# Altium PCB TempdevAmmy230209.PcbDoc (part 3 of 5) (continued)
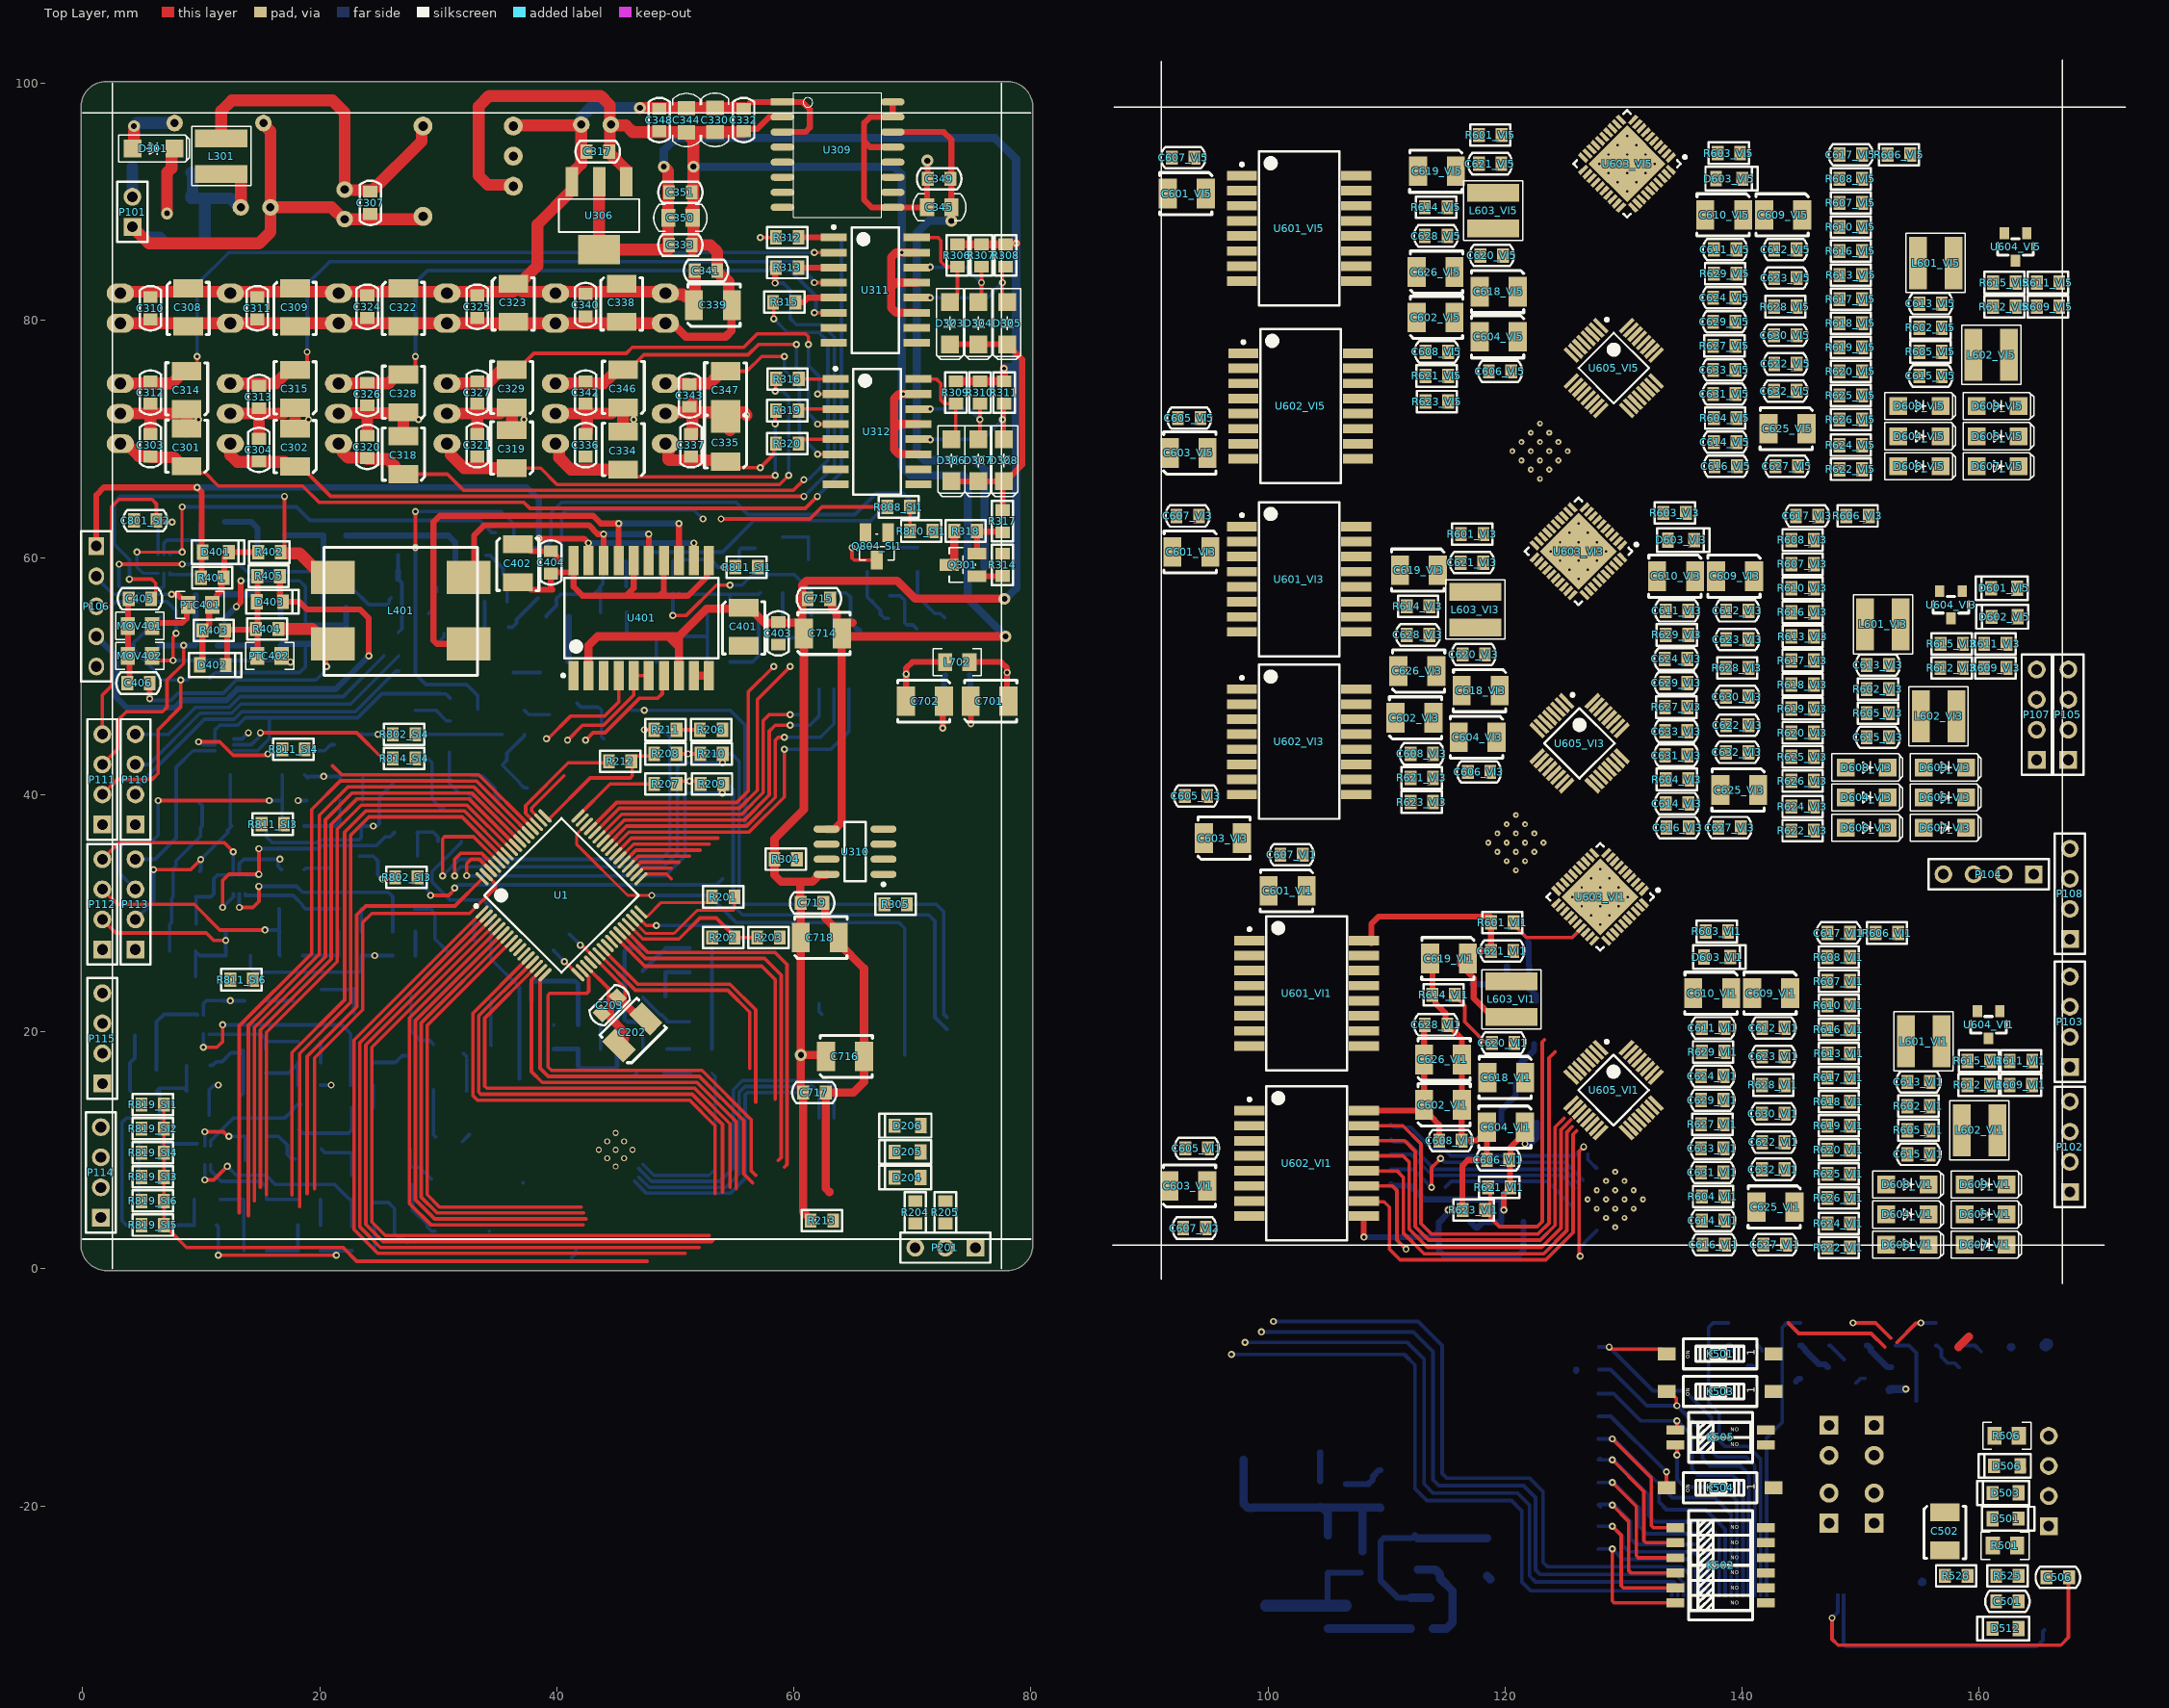
[diagram p0: Top Layer view]
## Part data (continued)
U605_VI1 U605_VI2 U605_VI3 U605_VI4 U605_VI5 U605_VI6: "HART and FOUNDATION Fieldbus / PROFIBUS PA Modem"
P2000 P2001 P3000 P5000 P6000 P6002: 厂家=TE
U604_VI1 U604_VI2 U604_VI3 U604_VI4 U604_VI5 U604_VI6: 厂家=安邦, 编号=C397594

## Via types
v1: diameter 0.6, hole 0.3, Top Layer to Bottom Layer, 166 vias
v2: diameter 0.5, hole 0.2, Top Layer to Bottom Layer, 96 vias
v3: diameter 0.5, hole 0.3, Top Layer to Bottom Layer, 9 vias
v4: diameter 1, hole 0.5, Top Layer to Bottom Layer, 8 vias

## Nets (pads, with @x,y where several pads share a name; then routed paths per layer and width w, separated by ;. In a path a pad name is that pad's centre, name@x,y a point inside that pad or via, vN(x,y) a via of type N, cw(c..) or ccw(c..) an arc to the next point about the centre after c; other vN are vias at no path point)
3.3V: C702.1 C704.1 L701.2 Q801_SI1.3 Q801_SI2.3 Q801_SI3.3 Q801_SI4.3 Q801_SI5.3 Q801_SI6.3 Q802_SI1.3 Q802_SI2.3 Q802_SI3.3 Q802_SI4.3 Q802_SI5.3 Q802_SI6.3 Q804_SI1.3 Q804_SI2.3 Q804_SI3.3 Q804_SI4.3 Q804_SI5.3 Q804_SI6.3 R801_SI1.2 R801_SI2.2 R801_SI3.2 R801_SI4.2 R801_SI5.2 R801_SI6.2 R802_SI1.2 R802_SI2.2 R802_SI3.2 R802_SI4.2 R802_SI5.2 R802_SI6.2 U701.26 | length 6.9
  Top Layer w0.5: v1(72.557,45.593) 72.557,47.792 C702.1@72.644,47.879
  Bottom Layer w0.5: v1(72.557,45.593) 72.538,45.612 72.538,47.731 C704.1@72.517,47.752 72.644,47.879 72.644,49.911 L701.2@72.771,50.038
3.3VCC: C202.1 C203.1 C331.1 C333.1 C350.1 C351.1 C401.1 C403.1 C502.1 C503.1 C504.1 C513.1 C515.1 C601_VI1.1 C601_VI2.1 C601_VI3.1 C601_VI4.1 C601_VI5.1 C601_VI6.1 C603_VI1.1 C603_VI2.1 C603_VI3.1 C603_VI4.1 C603_VI5.1 C603_VI6.1 C605_VI1.1 C605_VI2.1 C605_VI3.1 C605_VI4.1 C605_VI5.1 C605_VI6.1 C607_VI1.1 C607_VI2.1 C607_VI3.1 C607_VI4.1 C607_VI5.1 C607_VI6.1 C714.1 C715.1 C716.1 C717.1 C718.1 C719.1 L503.1 L504.1 P502.4 P502.17 P2000.8 P2000.9 P2000.10 P3000.30 P5000.8 P5000.9 P5000.10 P6000.30 R203.2 R213.1 R304.1 R306.1 R307.1 R308.1 R309.1 R310.1 R311.1 R314.1 R507.1 R508.1 R509.1 R510.1 R511.1 R512.1 R513.1 R514.1 R515.1 R516.1 R517.1 R519.1 R521.1 R523.1 U1.19 U1.20 U306.2 U310.8 U401.2 U401.8 U501.4 U501.5 U503.4 U503.5 U601_VI1.1 U601_VI2.1 U601_VI3.1 U601_VI4.1 U601_VI5.1 U601_VI6.1 U602_VI1.1 U602_VI2.1 U602_VI3.1 U602_VI4.1 U602_VI5.1 U602_VI6.1 U702.1 U703.1 U704.1 | length 231.6
  Top Layer w0.3: U1.19@42.49,25.503 44.343,23.65 44.343,22.132 44.413,22.061
  Top Layer w0.7: U401.2@42.672,50.038 42.672,52.578 43.434,53.34 49.403,53.34 ; 44.413,22.061 44.484,21.991 44.484,21.737 44.484,21.169 45.743,19.91 C202.1@45.743,19.327 ; U401.8@50.292,50.038 50.292,52.451 ; R213.1@61.407,4.064 61.407,4.164 60.772,4.799 C717.1@60.772,14.859 60.772,14.959 60.579,15.152 v4(60.579,18.034) ; C716.1@62.713,17.907 62.586,18.034 v4(60.579,18.034) ; U310.8@62.751,33.274 62.701,33.224 62.001,33.224 62.001,33.099 61.541,32.639 60.546,32.639 60.546,32.385 ; R309.1@73.66,74.864 R310.1@75.692,74.864 R311.1@77.724,74.864 v1(77.724,75.946) ; R306.1@73.787,86.421 R307.1@75.819,86.421 R308.1@77.851,86.421 77.917,86.487 v1(78.74,86.487) ; v4(77.758,56.515) 70.231,56.515 68.707,58.039 61.064,58.039 60.69,57.665 60.69,54.494 C714.1@60.69,54.225 ; 49.403,53.34 50.292,53.34 ; 49.403,53.34 50.292,52.451 ; 50.292,52.451 50.292,53.34 ; 50.292,53.34 52.629,55.677 55.829,55.677 C401.1@55.753,55.753 56.241,55.753 57.5,54.494 58.674,54.494 60.421,54.494 C714.1@60.69,54.225 ; 60.546,32.385 60.292,32.639 58.928,32.639 58.359,33.208 R304.1@58.359,34.544 58.359,36.261 60.833,38.735 C714.1@60.833,53.594 60.833,54.082 C714.1@60.69,54.225 ; 60.546,32.385 60.546,30.894 C719.1@60.579,30.861 C718.1@60.579,27.94 v4(60.579,18.034)
  Top Layer w1: U306.2@43.561,91.694 U306.2@43.561,85.979 49.387,85.979 49.387,92.599 C331.1@49.022,92.964
  Bottom Layer w0.5: U503.4@112.014,-27.753 110.938,-27.753 109.474,-26.289 109.474,-23.016 109.767,-22.723 112.151,-22.723 112.395,-22.479 L504.1@112.649,-22.733 ; R514.1@125.989,-8.609 R514.1@125.989,-8.509
  Bottom Layer w0.7: C331.1@49.022,92.964 49.022,94.361 50.038,95.377 76.962,95.377 78.74,93.599 v1(78.74,86.487) 78.74,76.073 ; v1(77.724,75.946) 77.851,76.073 78.74,76.073 ; v4(77.758,56.515) 77.851,56.515 78.74,57.404 78.74,76.073 ; U503.4@112.014,-27.753 U503.5@113.665,-27.753 ; L504.1@112.649,-22.733 C515.1@118.491,-22.733 ; L503.1@155.17,-26.44 L503.1@155.194,-26.416
3.3VS: C345.1 C349.2 C701.1 C703.1 L701.1 R305.2 U309.14 U701.2 U702.16 U703.16 U704.16 | length 54.5
  Top Layer w0.5: U309.14@68.326,95.885 72.644,95.885 73.279,95.25 C345.1@73.279,89.535 v4(73.279,88.392) ; C701.1@74.905,47.879 74.93,47.854 v1(74.93,45.974)
  Bottom Layer w0.5: L701.1@74.819,50.038 74.877,49.98 74.877,47.81 C703.1@74.935,47.752 74.935,45.979 v1(74.93,45.974)
  Bottom Layer w0.7: v4(73.279,88.392) 71.374,88.392 70.358,87.376 70.358,68.834 70.993,68.199 75.311,68.199 76.073,67.437 76.073,59.182
3.3VSON: R304.2 U1.25 U310.7
3W/4\W\(ON)_SI1: R803_SI1.2 R805_SI1.2 U703.15
3W/4\W\(ON)_SI2: R803_SI2.2 R805_SI2.2 U703.14 | length 10.9
  Bottom Layer w0.5: R803_SI2.2@22.22,61.849 30.861,61.849 31.43,61.28 R805_SI2.2@31.43,59.817
3W/4\W\(ON)_SI3: R803_SI3.2 R805_SI3.2 U703.13 | length 45.4
  Top Layer w0.3: v1(29.337,31.496) 30.861,31.496 v1@31.369,32.004
  Bottom Layer w0.3: R803_SI3.2@28.128,32.893 29.337,31.684 v1(29.337,31.496) ; v1(31.369,32.131) 31.441,32.131 31.695,32.385 53.467,32.385 53.975,32.893 ; R805_SI3.2@46.289,47.117 v1(47.371,47.117) 54.61,47.117 55.88,45.847 55.88,37.672
3W/4\W\(ON)_SI4: R803_SI4.2 R805_SI4.2 U703.12 | length 7.3
  Bottom Layer w0.3: R803_SI4.2@28.062,45.085 R805_SI4.2@35.372,45.085
3W/4\W\(ON)_SI5: R803_SI5.2 R805_SI5.2 U703.11
3W/4\W\(ON)_SI6: R803_SI6.2 R805_SI6.2 U703.10
3W/4W+_SI1: D802_SI1.2 D803_SI1.2 P110.3 R815_SI1.1 R816_SI1.2 | length 32.3
  Bottom Layer w0.3: P110.3@4.445,42.545 5.588,42.545 9.898,46.855 12.565,46.855 13.335,47.625 22.606,47.625 26.67,51.689 ; D803_SI1.2@50.587,53.34 D802_SI1.2@52.578,53.34 ; R816_SI1.2@52.705,51.181 R815_SI1.1@52.705,55.499
3W/4W+_SI2: D802_SI2.2 D803_SI2.2 P111.3 R815_SI2.1 R816_SI2.2 | length 22.4
  Top Layer w0.3: P111.3@1.651,42.545 2.921,43.815 2.921,46.228 3.683,46.99 6.731,46.99 7.112,47.371 7.112,49.657 8.509,51.054 v1(8.509,52.578)
  Bottom Layer w0.3: D803_SI2.2@6.35,52.578 D803_SI2.2@6.604,52.832 ; R815_SI2.1@9.464,56.769 9.527,56.832 R815_SI2.1@9.591,56.896
  Bottom Layer w0.5: D803_SI2.2@6.518,52.578 R816_SI2.2@9.464,52.578 9.527,52.642 R815_SI2.1@9.527,56.832
3W/4W+_SI3: D802_SI3.2 D803_SI3.2 P112.3 R815_SI3.1 R816_SI3.2 | length 21.5
  Top Layer w0.3: P112.3@1.651,32.004 2.921,30.734 9.398,30.734 11.557,28.575 v1(15.367,28.575)
  Bottom Layer w0.3: D803_SI3.2@14.265,28.575 v1(15.367,28.575) 16.51,28.575 D802_SI3.2@16.576,28.509 ; R815_SI3.1@16.576,30.353 D802_SI3.2@16.576,28.509 ; R816_SI3.2@16.637,26.416 16.576,26.477 D802_SI3.2@16.576,28.509 ; D802_SI3.2@16.637,28.448 D802_SI3.2@16.576,28.509
3W/4W+_SI4: D802_SI4.2 D803_SI4.2 P113.3 R815_SI4.1 R816_SI4.2 | length 26.6
  Top Layer w0.3: v1(6.35,39.497) v1(15.748,39.497)
  Bottom Layer w0.3: P113.3@4.445,32.004 3.048,33.401 3.048,35.433 3.683,36.068 5.842,36.068 6.35,36.576 v1(6.35,39.497) ; D803_SI4.2@14.646,39.497 v1(15.748,39.497) D802_SI4.2@16.807,39.497 ; R816_SI4.2@16.764,37.338 16.83,37.404 16.83,39.497 R815_SI4.1@16.83,41.656
3W/4W+_SI5: D802_SI5.2 D803_SI5.2 P114.3 R815_SI5.1 R816_SI5.2 | length 6.3
  Bottom Layer w0.3: D803_SI5.2@11.598,5.842 R815_SI5.1@13.589,5.842 R816_SI5.2@13.589,1.524
3W/4W+_SI6: D802_SI6.2 D803_SI6.2 P115.3 R815_SI6.1 R816_SI6.2 | length 7.2
  Bottom Layer w0.3: D803_SI6.2@10.752,17.145 D803_SI6.2@10.764,17.157 ; D803_SI6.2@10.934,17.157 11.229,17.452 11.737,17.452 12.5,18.215 13.328,18.215 R815_SI6.1@13.528,18.415 R816_SI6.2@13.528,16.51 13.528,14.798 D802_SI6.2@13.208,14.478
3W/4W-_SI1: D803_SI1.1 D804_SI1.2 P110.2 R817_SI1.2 R818_SI1.2 | length 33.6
  Bottom Layer w0.3: P110.2@4.445,40.005 4.675,40.235 4.675,40.743 10.287,46.355 12.772,46.355 13.407,46.99 22.987,46.99 26.416,50.419 26.67,50.419 ; D804_SI1.2@45.888,55.372 45.888,53.381 R818_SI1.2@45.847,53.34 D803_SI1.1@48.387,53.34 R817_SI1.2@48.387,51.181
3W/4W-_SI2: D803_SI2.1 D804_SI2.2 P111.2 R817_SI2.2 R818_SI2.2 | length 24
  Top Layer w0.3: P111.2@1.651,40.005 2.921,41.275 5.842,41.275 6.35,41.783 6.35,45.466 8.255,47.371 v1(8.255,49.657)
  Bottom Layer w0.3: D803_SI2.1@4.15,52.578 4.15,52.623 4.262,52.734 4.262,52.79 4.5,53.028 4.555,53.028 5.891,54.364 6,54.364 6.518,54.882 D804_SI2.2@6.518,54.991 ; D803_SI2.1@4.318,52.678 4.318,52.197 6.127,50.388 6.127,50.234 6.45,49.911 R818_SI2.2@6.477,49.911 ; R818_SI2.2@6.477,49.784 6.604,49.657 v1(8.255,49.657) 8.829,49.657 R817_SI2.2@9.083,49.911
3W/4W-_SI3: D803_SI3.1 D804_SI3.2 P112.2 R817_SI3.2 R818_SI3.2 | length 18.2
  Top Layer w0.3: P112.2@1.651,29.464 2.794,28.321 10.414,28.321 11.049,27.686 v1(12.065,27.686)
  Bottom Layer w0.3: R818_SI3.2@9.525,24.638 D804_SI3.2@9.525,26.766 ; D804_SI3.2@9.525,26.797 D804_SI3.2@9.525,26.766 ; D803_SI3.1@12.065,28.575 v1(12.065,27.686) 12.065,26.416 9.875,26.416 D804_SI3.2@9.525,26.766
3W/4W-_SI4: D803_SI4.1 D804_SI4.2 P113.2 R817_SI4.2 R818_SI4.2 | length 18.5
  Top Layer w0.3: v1(5.969,33.655) 9.08,33.655 v1(9.949,34.523)
  Bottom Layer w0.3: P113.2@4.445,29.464 5.969,30.988 v1(5.969,33.655) ; D804_SI4.2@9.863,33.528 9.949,33.614 v1(9.949,34.523) 10.858,35.433 12.223,36.797 12.223,36.988 R817_SI4.2@12.573,37.338 12.446,37.465 D803_SI4.1@12.446,39.497 R818_SI4.2@12.446,41.656
3W/4W-_SI5: D803_SI5.1 D804_SI5.2 P114.2 R817_SI5.2 R818_SI5.2 | length 6.7
  Bottom Layer w0.3: D804_SI5.2@6.942,5.842 6.942,3.726 R818_SI5.2@6.985,3.683 R817_SI5.2@9.398,3.683 D803_SI5.1@9.398,5.842
3W/4W-_SI6: D803_SI6.1 D804_SI6.2 P115.2 R817_SI6.2 R818_SI6.2 | length 7.6
  Bottom Layer w0.3: D804_SI6.2@6.223,14.986 6.477,15.24 8.514,15.24 R817_SI6.2@8.768,14.986 8.763,14.991 D803_SI6.1@8.763,17.145 ; D804_SI6.2@6.477,14.986 6.477,12.7 R818_SI6.2@6.731,12.446
3W/4WON1: U1.45 U703.2 | length 26
  Top Layer w0.3: U1.45@42.843,37.135 45.046,39.338 55.179,39.338 56.134,40.293 56.134,48.641 v1(58.293,50.8)
3W/4WON2: U1.44 U703.3 | length 26.8
  Top Layer w0.3: U1.44@43.197,36.782 45.253,38.838 55.386,38.838 56.912,40.364 56.912,48.022 v1(59.69,50.8)
3W/4WON3: U1.43 U703.4 | length 27
  Top Layer w0.3: U1.43@43.55,36.428 45.46,38.338 55.593,38.338 57.412,40.157 57.412,46.236 57.912,46.736 v1(59.69,46.736)
  Bottom Layer w0.3: v1(59.69,46.736) 60.452,46.736 60.833,47.117 U703.4@60.833,48.893
3W/4WON4: U1.42 U703.5 | length 28
  Top Layer w0.3: U1.42@43.904,36.075 45.667,37.838 55.8,37.838 57.912,39.95 57.912,45.339 58.42,45.847 v1(59.69,45.847)
  Bottom Layer w0.3: v1(59.69,45.847) 61.341,45.847 62.103,46.609 U703.5@62.103,48.893
3W/4WON5: U1.41 U703.6 | length 29.1
  Top Layer w0.3: U1.41@44.257,35.721 45.874,37.338 56.007,37.338 58.42,39.751 58.42,44.577 58.674,44.831 v1(59.182,44.831)
  Bottom Layer w0.3: v1(59.182,44.831) 62.23,44.831 63.373,45.974 U703.6@63.373,48.893
3W/4WON6: U1.40 U703.7 | length 30.1
  Top Layer w0.3: U1.40@44.611,35.367 46.081,36.838 56.214,36.838 59.182,39.806 v1(59.182,43.815)
  Bottom Layer w0.3: v1(59.182,43.815) 63.119,43.815 64.643,45.339 U703.7@64.643,48.893
3W_ON_G_SI1: Q802_SI1.1 R813_SI1.1 | length 5.3
  Bottom Layer w0.3: R813_SI1.1@63.368,57.023 64.389,57.023 64.77,56.642 64.77,54.749 64.96,54.559 64.96,54.259 65.31,53.909 Q802_SI1.1@65.483,53.909 ; Q802_SI1.1@65.29,54.102 Q802_SI1.1@65.483,53.909 ; Q802_SI1.1@65.61,53.782 Q802_SI1.1@65.483,53.909 ; Q802_SI1.1@65.61,53.909 Q802_SI1.1@65.483,53.909
3W_ON_G_SI2: Q802_SI2.1 R813_SI2.1 | length 5
  Bottom Layer w0.3: R813_SI2.1@22.22,57.785 22.22,57.685 22.57,57.335 22.802,57.335 24.12,56.017 Q802_SI2.1@25.676,56.017 25.851,56.192 25.851,56.428 Q802_SI2.1@26.026,56.603
3W_ON_G_SI3: Q802_SI3.1 R813_SI3.1 | length 5.5
  Bottom Layer w0.3: R813_SI3.1@28.001,30.353 29.337,30.353 29.718,29.972 29.718,27.813 Q802_SI3.1@30.742,26.789
3W_ON_G_SI4: Q802_SI4.1 R813_SI4.1 | length 6
  Bottom Layer w0.3: R813_SI4.1@28.062,43.053 29.083,43.053 29.464,42.672 29.464,39.624 29.83,39.258 29.83,39.212 30.18,38.862 Q802_SI4.1@30.48,38.862
3W_ON_G_SI5: Q802_SI5.1 R813_SI5.1 | length 5.5
  Bottom Layer w0.3: R813_SI5.1@24.572,5.588 25.781,5.588 26.289,5.08 26.289,2.949 26.668,2.57 27.033,2.57 Q802_SI5.1@27.383,2.22
3W_ON_G_SI6: Q802_SI6.1 R813_SI6.1 | length 3
  Bottom Layer w0.3: R813_SI6.1@24.506,17.399 26.387,17.399 26.956,17.968 Q802_SI6.1@27.256,17.968
4W_ON_G_SI1: Q801_SI1.1 R812_SI1.1 | length 2.9
  Bottom Layer w0.3: R812_SI1.1@55.433,59.182 55.372,59.243 55.372,60.596 55.548,60.772 Q801_SI1.1@56.72,60.772
4W_ON_G_SI2: Q801_SI2.1 R812_SI2.1 | length 4.5
  Bottom Layer w0.5: R812_SI2.1@11.999,62.992 14.224,62.992 14.732,62.484 Q801_SI2.1@14.732,60.96
4W_ON_G_SI3: Q801_SI3.1 R812_SI3.1 | length 2.4
  Bottom Layer w0.3: R812_SI3.1@18.669,33.655 18.796,33.782 20.828,33.782 Q801_SI3.1@20.955,33.909
4W_ON_G_SI4: Q801_SI4.1 R812_SI4.1 | length 2.6
  Bottom Layer w0.3: R812_SI4.1@18.796,43.688 20.401,43.688 20.909,44.196 Q801_SI4.1@21.209,44.196
4W_ON_G_SI5: Q801_SI5.1 R812_SI5.1 | length 3.6
  Bottom Layer w0.3: R812_SI5.1@15.616,11.176 16.51,11.176 17.257,10.429 17.257,9.621 17.607,9.271 Q801_SI5.1@17.907,9.271
4W_ON_G_SI6: Q801_SI6.1 R812_SI6.1 | length 2.2
  Bottom Layer w0.3: R812_SI6.1@15.555,22.606 Q801_SI6.1@17.78,22.606
4W_SI1: C801_SI1.1 D801_SI1.2 P110.4 Q806_SI1.1 | length 25.9
  Bottom Layer w0.3: P110.4@4.445,45.085 7.239,45.085 9.509,47.355 12.358,47.355 13.263,48.26 21.971,48.26 25.4,51.689 ; C801_SI1.1@45.781,59.69 45.847,59.624 D801_SI1.2@45.847,57.531
4W_SI2: C801_SI2.1 D801_SI2.2 P111.4 Q806_SI2.1 | length 30.4
  Top Layer w0.3: P111.4@1.651,45.085 1.651,48.387 2.413,49.149 2.413,64.262 3.048,64.897 5.842,64.897 6.223,64.516 C801_SI2.1@6.223,63.119 v1@7.62,63.119
  Bottom Layer w0.3: D801_SI2.2@6.264,62.611 6.645,62.992 v1(7.534,62.992) ; D801_SI2.2@6.35,62.738 6.358,62.73 Q806_SI2.1@6.358,60.274
4W_SI3: C801_SI3.1 D801_SI3.2 P112.4 Q806_SI3.1 | length 20.9
  Top Layer w0.3: P112.4@1.651,34.544 3.048,35.941 11.938,35.941 v1(12.7,35.179)
  Bottom Layer w0.3: D801_SI3.2@9.566,29.083 9.566,31.328 C801_SI3.1@9.525,31.369 10.795,31.369 11.049,31.623 11.049,32.893 11.379,33.223 Q806_SI3.1@12.708,33.223 12.704,33.227 12.704,35.175 v1(12.7,35.179)
4W_SI4: C801_SI4.1 D801_SI4.2 P113.4 Q806_SI4.1 | length 14
  Bottom Layer w0.3: P113.4@4.445,34.544 6.096,34.544 7.874,36.322 C801_SI4.1@7.874,39.37 7.874,42.291 9.279,43.696 Q806_SI4.1@11.138,43.696
4W_SI5: C801_SI5.1 D801_SI5.2 P114.4 Q806_SI5.1 | length 5.5
  Bottom Layer w0.3: D801_SI5.2@6.899,8.128 6.899,10.307 C801_SI5.1@6.665,10.541 9.652,10.541
4W_SI6: C801_SI6.1 D801_SI6.2 P115.4 Q806_SI6.1 | length 7.8
  Bottom Layer w0.3: D801_SI6.2@6.223,16.764 6.223,18.923 6.223,19.685 6.223,20.828 6.858,21.463 9.643,21.463 9.668,21.438 Q806_SI6.1@9.668,21.412
5VGND: C201.1 C202.2 C203.2 C308.2 C309.2 C310.1 C311.1 C316.2 C317.1 C322.2 C323.2 C324.1 C325.1 C330.2 C331.2 C332.1 C333.2 C338.2 C339.2 C340.1 C341.1 C344.2 C348.1 C350.2 C351.2 C401.2 C403.2 C502.2 C503.2 C504.2 C505.2 C507.2 C508.2 C509.2 C510.2 C511.2 C512.2 C513.2 C515.2 C516.2 C601_VI1.2 C601_VI2.2 C601_VI3.2 C601_VI4.2 C601_VI5.2 C601_VI6.2 C603_VI1.2 C603_VI2.2 C603_VI3.2 C603_VI4.2 C603_VI5.2 C603_VI6.2 C605_VI1.2 C605_VI2.2 C605_VI3.2 C605_VI4.2 C605_VI5.2 C605_VI6.2 C607_VI1.2 C607_VI2.2 C607_VI3.2 C607_VI4.2 C607_VI5.2 C607_VI6.2 C714.2 C715.2 C716.2 C717.2 C718.2 C719.2 D504.1 D505.1 D507.1 D513.2 K501.1 K502.1 K502.2 K502.3 K502.4 K502.5 K502.6 K503.1 K504.1 K505.1 K505.2 L502.1 P201.1 P502.1 P502.7 P502.8 P502.9 P502.10 P502.11 P502.15 P502.16 P502.18 P502.20 P502.28 P502.30 P2000.4 P2000.5 P2000.6 P3000.29 P5000.4 P5000.5 P5000.6 P6000.29 Q301.3 Q501.3 Q502.3 Q503.3 Q504.3 R318.2 R505.2 R526.2 R528.1 R530.2 U1.21 U301.2 U302.2 U303.7 U304.2 U305.2 U306.1 U307.2 U308.2 U309.2 U310.2 U310.5 U311.11 U311.13 U311.15 U312.11 U312.13 U312.15 U401.1 U401.3 U401.9 U401.10 U501.2 U503.2 U601_VI1.8 U601_VI2.8 U601_VI3.8 U601_VI4.8 U601_VI5.8 U601_VI6.8 U602_VI1.8 U602_VI2.8 U602_VI3.8 U602_VI4.8 U602_VI5.8 U602_VI6.8 U702.8 U703.8 U704.2 U704.8 | length 304.7
  Top Layer w0.3: v1@42.043,27.364 U1.21@43.197,26.21 45.757,23.65 45.757,22.826 45.757,22.315
  Top Layer w0.5: C332.1@55.753,95.885 56.014,96.146 56.903,96.146 57.893,97.136 59.007,97.136 U309.2@59.026,97.155
  Top Layer w0.7: 45.757,22.315 46.99,21.082 C202.2@47.498,21.082 ; U308.2@49.149,79.756 49.743,79.756 50.886,78.613 54.229,78.613 54.737,79.121 54.737,81.305 C339.2@54.5,81.542 ; U401.9@51.562,50.038 U401.10@52.832,50.038 ; C401.2@55.626,52.426 C401.2@55.753,52.553 ; C719.2@62.479,30.861 62.629,30.711 62.629,29.578 63.779,28.428 C718.2@63.779,27.94 63.779,27.452 65.913,25.318 C716.2@65.913,17.907 65.913,15.748 65.024,14.859 C717.2@62.672,14.859 62.672,6.797 62.992,6.477 ; U310.5@62.751,37.084 63.451,37.084 64.033,37.666 C714.2@64.033,53.594 64.033,54.082 C714.2@64.445,54.494 ; C715.2@63.053,56.515 63.203,56.365 63.203,55.736 63.621,55.318 63.621,54.494 C714.2@64.445,54.494 ; C714.2@64.389,53.34 v4(77.851,53.34) ; 64.933,54.494 C714.2@64.445,54.494 ; U311.11@70.358,80.645 68.609,80.645 68.199,81.055 68.199,82.775 ; U311.13@70.358,83.185 68.609,83.185 68.199,82.775 ; U311.15@70.358,85.725 v1(69.088,85.725) 68.609,85.725 68.199,85.315 68.199,82.775 ; U312.11@70.5,68.707 68.863,68.707 68.453,69.117 68.453,70.837 ; U312.13@70.5,71.247 68.863,71.247 68.453,70.837 ; U312.15@70.5,73.787 v1(69.215,73.787) 68.863,73.787 68.453,73.377 68.453,70.837 ; Q301.3@73.103,59.37 73.383,59.37 73.533,59.52 R318.2@73.533,62.23 ; 158.242,-6.604 159.131,-5.715
  Top Layer w1: U301.2@3.175,79.756 U302.2@12.446,79.756 U304.2@21.59,79.756 U305.2@30.734,79.756 U307.2@39.878,79.756 U308.2@49.149,79.756 ; U303.7@36.322,91.313 36.207,91.428 34.175,91.428 33.401,92.202 33.401,98.044 34.29,98.933 43.688,98.933 44.466,98.155 44.466,94.084 45.836,92.714 45.836,91.719 U306.1@45.861,91.694 ; C316.2@44.557,96.52 44.634,96.443 45.833,96.443 46.391,95.885 48.641,95.885 C332.1@55.753,95.885 ; C344.2@50.927,95.869 51.077,95.869 51.177,95.769 51.177,95.528 51.522,95.183 C331.2@51.522,92.964 C333.2@51.522,86.36 ; C350.2@51.308,89.281 51.351,89.238 51.351,88.746 C350.2@51.451,88.646 ; C333.2@51.369,86.36 C333.2@51.522,86.36 ; C333.2@51.435,85.979 51.522,86.066 C333.2@51.522,86.36 ; C339.2@54.5,81.542 54.5,83.242 54.176,83.566 54.063,83.566 53.528,84.101 C341.1@53.528,84.201 53.528,85.774 52.942,86.36 C333.2@51.522,86.36 ; C339.2@54.737,81.305 C339.2@54.762,81.28
  Bottom Layer w0.3: C201.1@41.058,28.231 v1(41.984,27.305) v1@42.037,27.305
  Bottom Layer w0.7: C331.2@51.522,92.964 68.453,92.964 69.088,92.329 v1(69.088,85.725) 69.088,67.691 69.85,66.929 74.266,66.929 74.676,66.519 74.676,56.515 v4(77.851,53.34) ; R528.1@97.917,-16.124 97.917,-19.781 98.329,-20.193 C512.2@98.679,-20.193 98.722,-20.15 104.351,-20.15 D513.2@104.394,-20.107 ; C507.2@105.029,-22.479 105.029,-20.592 104.587,-20.15 107.954,-20.15 ; C508.2@107.95,-23.815 107.954,-23.811 107.954,-20.15 ; C511.2@109.474,-20.193 109.431,-20.15 107.954,-20.15 ; C515.2@118.466,-25.908 C515.2@118.491,-25.933 C515.2@118.745,-26.187 ; Q503.3@152.449,-10.226 152.515,-10.16 v1@153.67,-10.16 ; L502.1@162.663,-6.628 L502.1@162.687,-6.604
  other v1: 153.797,-10.16
5VIN: C308.1 C309.1 C310.2 C311.2 C316.1 C317.2 C322.1 C323.1 C324.2 C325.2 C330.1 C332.2 C338.1 C339.1 C340.2 C341.2 C344.1 C348.2 U301.1 U302.1 U303.5 U304.1 U305.1 U306.3 U307.1 U308.1 U309.1 U309.3 | length 98.7
  Top Layer w0.5: C332.2@55.753,97.933 55.903,97.933 56.395,98.425 U309.1@59.026,98.425 60.706,98.425 61.341,97.79 61.341,96.266 60.96,95.885 U309.3@59.026,95.885
  Top Layer w1: U301.1@3.175,82.296 3.29,82.411 C323.1@36.322,82.411 ; C323.1@36.322,82.767 C323.1@37.072,82.767 ; C323.1@36.322,83.083 C323.1@36.81,83.083 ; U303.5@36.322,96.393 36.386,96.456 41.993,96.456 C316.1@42.057,96.52 42.057,93.197 41.261,92.401 U306.3@41.261,91.694 41.261,90.987 38.354,88.08 38.354,84.607 37.072,83.325 37.072,82.837 C323.1@36.81,82.575 ; C323.1@37.072,82.411 U308.1@49.149,82.411 ; v4@46.99,97.917 v4(47.006,97.933) 48.641,97.933 C332.2@55.753,97.933 ; U308.1@49.149,82.296 49.264,82.181 50.661,82.181 50.812,82.03 51.3,82.03 C339.1@51.562,81.768 ; C339.1@51.562,81.28 C339.1@51.562,81.768 ; C341.2@51.628,84.201 51.628,81.834 C339.1@51.562,81.768
  Bottom Layer w1: C316.1@42.057,96.52 42.134,96.597 42.134,97.224 42.843,97.933 v4(47.006,97.933)
5VLDO: R609_VI1.1 R609_VI2.1 R609_VI3.1 R609_VI4.1 R609_VI5.1 R609_VI6.1 R611_VI1.1 R611_VI2.1 R611_VI3.1 R611_VI4.1 R611_VI5.1 R611_VI6.1 R612_VI1.1 R612_VI2.1 R612_VI3.1 R612_VI4.1 R612_VI5.1 R612_VI6.1 U603_VI1.3 U603_VI2.3 U603_VI3.3 U603_VI4.3 U603_VI5.3 U603_VI6.3 U604_VI1.1 U604_VI2.1 U604_VI3.1 U604_VI4.1 U604_VI5.1 U604_VI6.1
15V1: C301.1 C303.1 C609_VI1.1 C612_VI1.1 D605_VI1.2 D607_VI1.2 D609_VI1.2 P3000.28 P6000.28 R312.2 R609_VI1.2 R611_VI1.2 U301.6 U603_VI1.2 | length 134.5
  Top Layer w0.3: C301.1@8.763,67.412 9.038,67.137 10.333,67.137 11.43,66.04 18.542,66.04 19.939,64.643 37.211,64.643 37.719,64.135 60.96,64.135 v1(61.976,65.151) ; v1(57.15,86.995) R312.2@58.404,86.995 ; R312.2@58.357,86.948 R312.2@58.404,86.995 ; R312.2@58.486,86.995 R312.2@58.404,86.995
  Top Layer w1: U301.6@3.175,69.596 3.687,69.596 4.73,68.553 5.615,68.553 5.715,68.453 7.681,68.453 C301.1@8.267,67.867
  S1 w0.3: v1(61.976,65.151) 67.183,65.151 68.03,64.304 68.03,27.771
  Bottom Layer w0.3: v1(57.15,86.995) 63.754,86.995 64.008,86.741 64.008,67.183 v1(61.976,65.151)
15V2: C302.1 C304.1 C609_VI2.1 C612_VI2.1 D605_VI2.2 D607_VI2.2 D609_VI2.2 P3000.25 P6000.25 R313.2 R609_VI2.2 R611_VI2.2 U302.6 U603_VI2.2 | length 118.5
  Top Layer w0.3: C302.1@17.907,67.666 18.395,67.666 20.91,65.151 v1(60.833,65.151)
  Top Layer w0.5: v1(58.404,83.145) 58.423,83.164 58.423,84.436 R313.2@58.404,84.455
  Top Layer w1: U302.6@12.446,69.596 12.446,68.642 13.032,68.056 14.859,68.056 17.029,68.056 17.419,67.666 C302.1@17.907,67.666 ; R313.2@58.404,84.455 R313.2@58.42,84.439
  S1 w0.3: v1(60.833,65.151) 61.722,66.04 67.691,66.04 68.58,65.151 68.58,30.099
  Bottom Layer w0.3: v1(58.404,83.145) 59.095,83.145 59.69,82.55 59.69,80.137 60.198,79.629 62.357,79.629 63.415,78.571 63.415,67.717 60.849,65.151 v1(60.833,65.151)
15V3: C318.1 C320.1 C609_VI3.1 C612_VI3.1 D605_VI3.2 D607_VI3.2 D609_VI3.2 P3000.22 P6000.22 R315.2 R609_VI3.2 R611_VI3.2 U304.6 U603_VI3.2 | length 105.9
  Top Layer w0.3: C318.1@27.051,67.031 30.759,67.031 32.131,65.659 59.944,65.659 v1(60.833,66.548) ; R315.2@58.232,81.534 58.293,81.473 v1(58.293,80.137)
  Top Layer w1: U304.6@21.59,69.596 21.628,69.596 21.905,69.319 21.905,68.896 22.391,68.41 23.903,68.41 24.003,68.31 25.715,68.31 26.301,67.724 26.301,67.293 26.563,67.031 C318.1@27.051,67.031
  S1 w0.3: v1(60.833,66.548) 60.875,66.59 69.681,66.59 70.485,65.786 70.485,31.115
  Bottom Layer w0.3: v1(58.293,80.137) 59.436,78.994 62.103,78.994 62.865,78.232 62.865,68.199 61.257,66.591 60.876,66.591 v1(60.833,66.548)
15V4: C319.1 C321.1 C609_VI4.1 C612_VI4.1 D605_VI4.2 D607_VI4.2 D609_VI4.2 P3000.19 P6000.19 R316.2 R609_VI4.2 R611_VI4.2 U305.6 U603_VI4.2 | length 84.8
  Top Layer w0.3: C319.1@36.195,67.539 38.633,67.539 40.013,66.159 58.793,66.159 v1(59.563,66.929) ; v1(58.42,74.041) 58.461,74.082 58.461,75.016 R316.2@58.502,75.057
  Top Layer w1: U305.6@30.734,69.596 30.772,69.596 31.049,69.319 31.049,68.658 32.168,67.539 C319.1@36.195,67.539
  S1 w0.3: v1(59.563,66.929) 59.944,66.929 60.283,67.268 70.019,67.268 71.078,66.209 71.078,33.57 71.12,33.528
  Bottom Layer w0.3: v1(58.42,74.041) 59.055,74.041 59.563,73.533 v1(59.563,66.929)
15V5: C334.1 C336.1 C609_VI5.1 C612_VI5.1 D605_VI5.2 D607_VI5.2 D609_VI5.2 P3000.16 P6000.16 R319.2 R609_VI5.2 R611_VI5.2 U307.6 U603_VI5.2 | length 72.2
  Top Layer w0.3: C334.1@45.593,67.412 46.203,66.802 58.212,66.802 58.339,66.929 v1(58.42,66.929) ; v1(58.404,71.263) R319.2@58.404,72.39
  Top Layer w1: U307.6@39.878,69.596 39.916,69.596 40.193,69.319 40.193,68.404 41.185,67.412 C334.1@45.593,67.412
  S1 w0.3: v1(58.42,66.929) 59.309,67.818 70.612,67.818 71.628,66.802 71.628,34.442
  Bottom Layer w0.3: v1@58.404,71.39 58.412,71.382 58.412,66.937 v1(58.42,66.929)
15V6: C335.1 C337.1 C609_VI6.1 C612_VI6.1 D605_VI6.2 D607_VI6.2 D609_VI6.2 P3000.13 P6000.13 R320.2 R609_VI6.2 R611_VI6.2 U308.6 U603_VI6.2 | length 58.6
  Top Layer w0.3: C335.1@54.229,67.818 54.483,67.564 v1(57.15,67.564) 58.308,68.722 58.308,69.5 R320.2@58.404,69.596
  Top Layer w1: U308.6@49.149,69.596 49.149,69.577 49.407,69.319 49.407,68.252 49.46,68.199 C335.1@53.721,68.199 ; C335.1@53.479,67.81 C335.1@54.229,67.81
  S1 w0.3: v1(57.15,67.564) 59.055,69.469 70.739,69.469 73.873,66.335 73.873,38.649
485WR/RD: U1.11 U401.5 U401.6 | length 10.1
  Top Layer w0.3: v1(40.894,44.577) 42.164,45.847 43.942,45.847 46.482,48.387 U401.5@46.482,50.038 U401.6@47.752,50.038
+VS_VI1: D602_VI1.2 D604_VI1.2 D605_VI1.1 P102.1 R608_VI1.1
+VS_VI2: D602_VI2.2 D604_VI2.2 D605_VI2.1 P103.1 R608_VI2.1
+VS_VI3: D602_VI3.2 D604_VI3.2 D605_VI3.1 P104.1 R608_VI3.1
+VS_VI4: D602_VI4.2 D604_VI4.2 D605_VI4.1 P105.1 R608_VI4.1
+VS_VI5: D602_VI5.2 D604_VI5.2 D605_VI5.1 P107.1 R608_VI5.1
+VS_VI6: D602_VI6.2 D604_VI6.2 D605_VI6.1 P108.1 R608_VI6.1
+VSENSE_VI1: R607_VI1.2 R608_VI1.2 U603_VI1.36
+VSENSE_VI2: R607_VI2.2 R608_VI2.2 U603_VI2.36
+VSENSE_VI3: R607_VI3.2 R608_VI3.2 U603_VI3.36
+VSENSE_VI4: R607_VI4.2 R608_VI4.2 U603_VI4.36
+VSENSE_VI5: R607_VI5.2 R608_VI5.2 U603_VI5.36
+VSENSE_VI6: R607_VI6.2 R608_VI6.2 U603_VI6.36
-15V1: C312.1 C314.2 C610_VI1.2 C611_VI1.1 D604_VI1.1 D606_VI1.1 D608_VI1.1 P3000.26 P6000.26 U301.4 U311.2 U603_VI1.29 | length 138.5
  Top Layer w0.3: C314.2@9.35,76.304 C314.2@8.763,75.717 9.065,75.717 9.652,76.304 v1(9.652,76.962) ; v1(61.722,85.725) U311.2@63.358,85.725
  Top Layer w1: U301.4@3.175,74.676 7.513,74.676 8.529,75.692 C314.2@9.017,75.692
  S1 w0.3: v1(61.722,85.725) 63.627,83.82 72.136,83.82 76.708,79.248 76.708,49.165 77.851,48.022 77.851,28.781
  Bottom Layer w0.3: v1(9.652,76.962) 9.652,83.058 12.319,85.725 v1(61.722,85.725) v1@61.849,85.725